# Altium PCB LimeSDR-X3_1v0.PcbDoc (part 2 of 25) (continued)
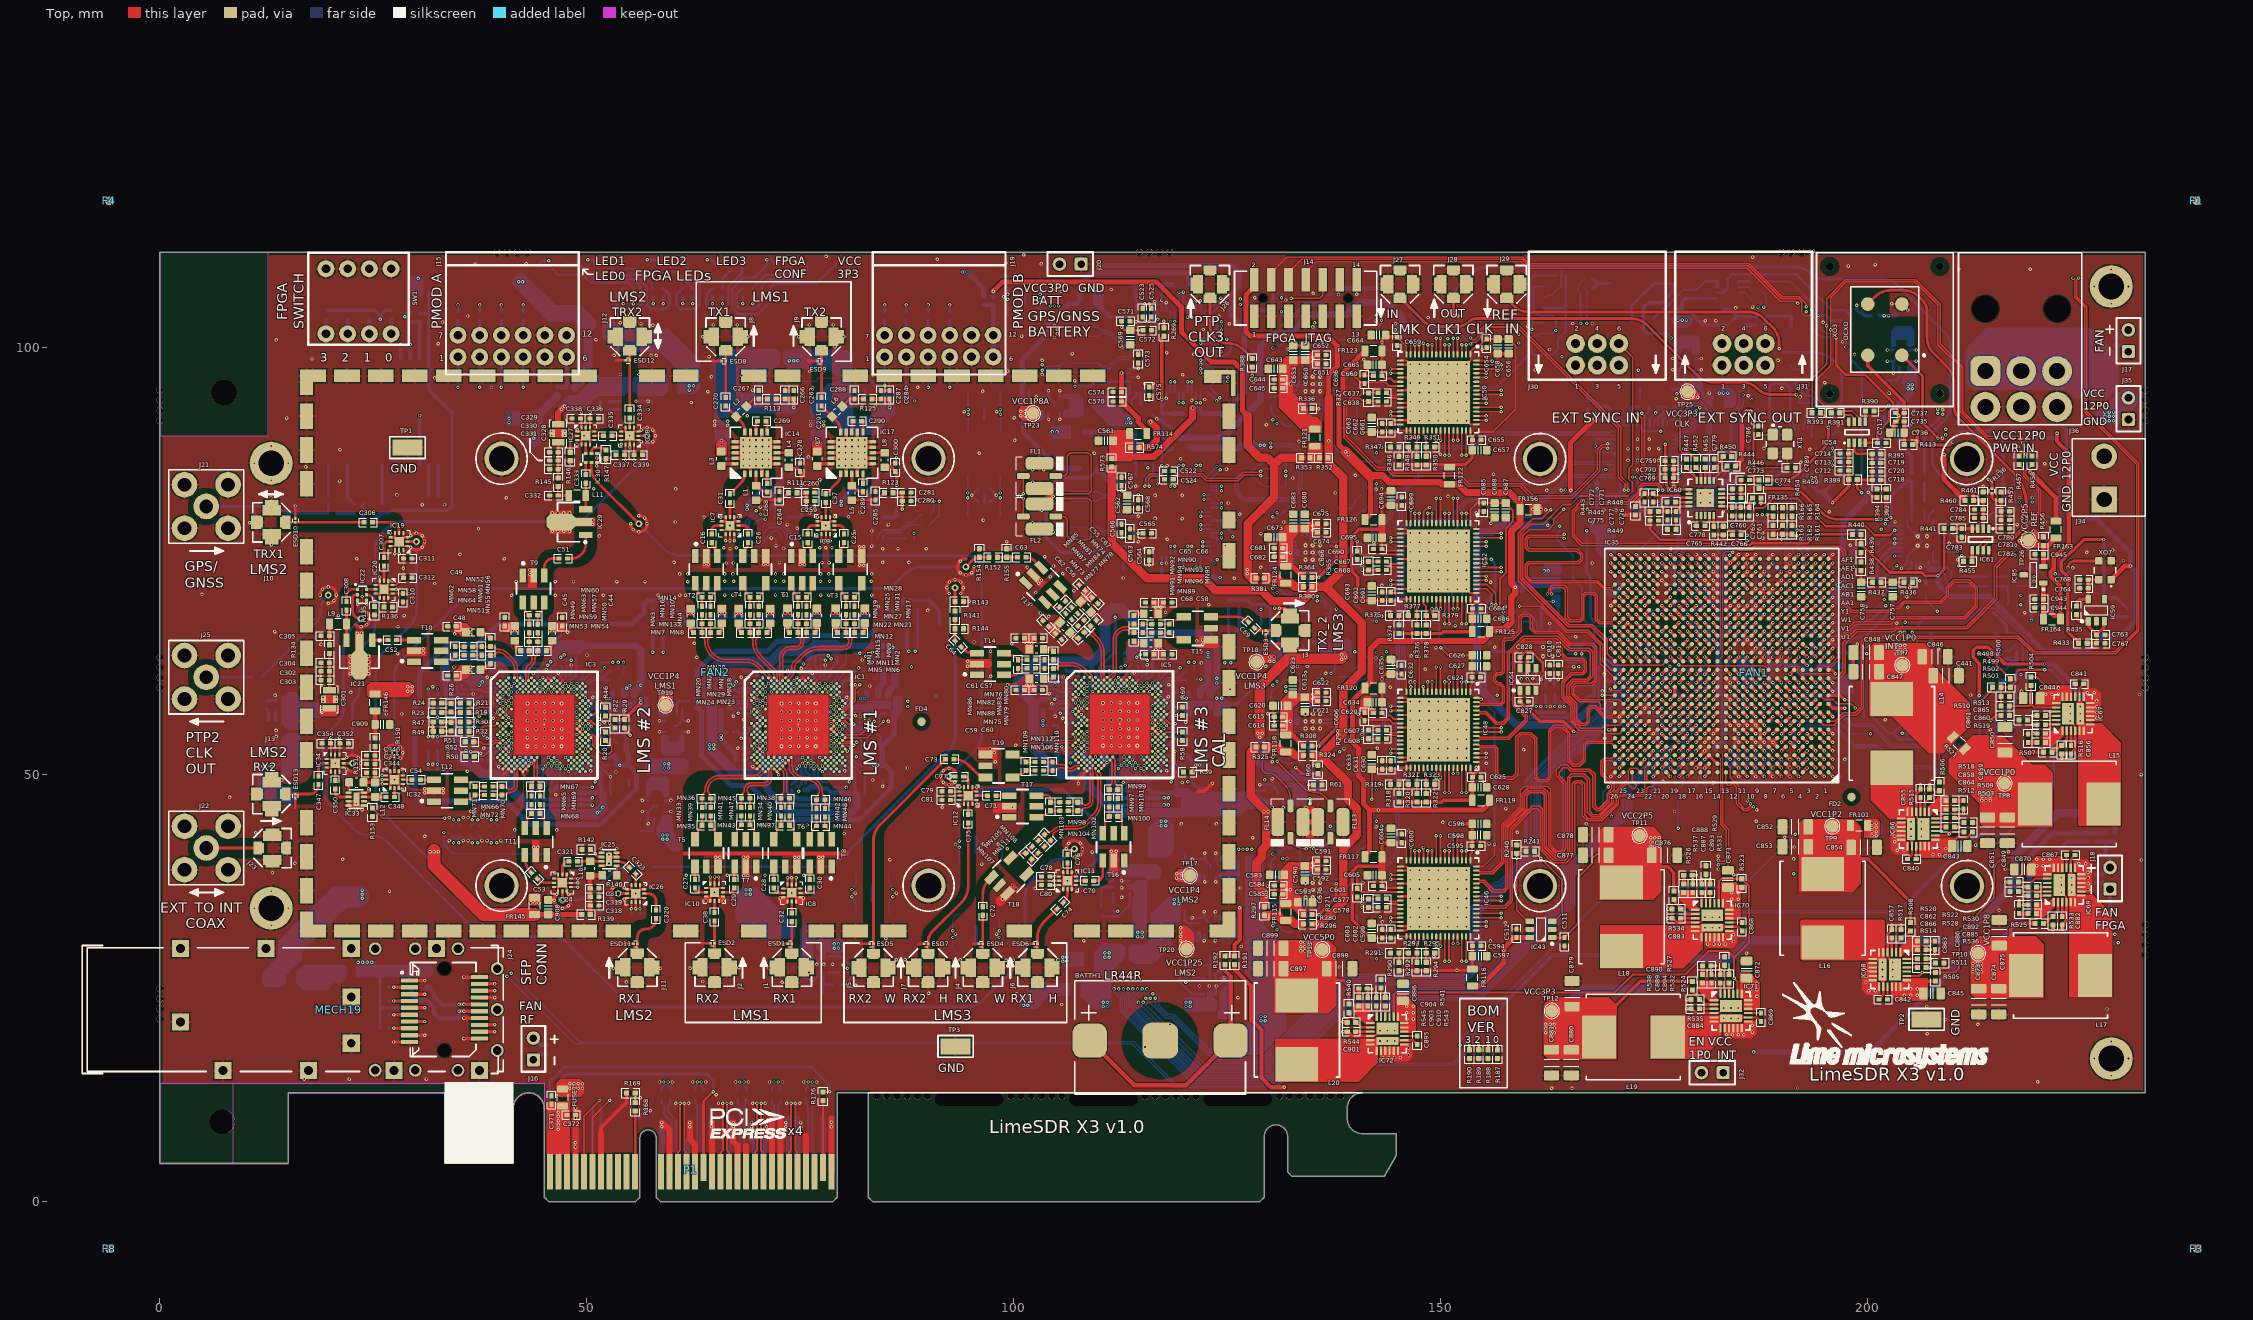
[diagram p0: Top view]
## Components (designator, comment, footprint, x,y, rotation, side; value= is the part's Value field where it differs from the comment) (continued)
C293 "1uF, 10V" CAP0402#1 82.485,82.404 r0 bottom
C294 "100nF, 16V" CAP0402#1 82.485,81.404 r180 bottom
C295 "10uF, 16V" CAP0603#1 76.101,93.48 r0 bottom
C296 "100nF, 16V" CAP0402#1 75.976,88.88 r180 bottom
C297 "100pF, 50V" CAP0402#1 86.796,83.264 r0 bottom
C298 "100nF, 16V" CAP0402#1 84.585,82.119 r0 bottom
C299 "1nF, 50V" CAP0402#1 86.796,80.144 r0 bottom
C300 "100pF, 50V" CAP0402#2 86.098,86.003 r90 top
C301 "470nF, 16V" CAP0805_FEEDTHROUGH 19.854,58.827 r90 top
C302 "1200pF, 50V" CAP0402#2 19.354,62.101 r180 top
C303 "100nF, 16V" CAP0402#2 19.354,61.052 r0 top
C304 "100pF, 50V" CAP0402#2 19.354,63.102 r180 top
C305 "0.018uF, 25V" CAP0402#2 19.354,66.252 r180 top
C306 "100pF, 50V" CAP0402#2 24.397,79.548 r180 top
C307 "100pF, 50V" CAP0402#2 26.229,74.914 r90 top
C308 "100nF, 16V" CAP0402#2 21.854,69.752 r270 top
C309 "10nF, 50V" CAP0402#1 27.504,76.989 r90 bottom
C310 "10nF, 50V" CAP0402#2 28.466,70.707 r270 top
C311 "100pF, 50V" CAP0402#2 29.004,75.314 r180 top
C312 "100pF, 50V" CAP0402#2 29.004,73.039 r180 top
C313 "1uF, 10V" CAP0402#1 14.075,52.554 r0 bottom
C314 "100nF, 16V" CAP0402#1 14.073,58.652 r0 bottom
C315 "2700pF, 50V" CAP0402#1 12.523,58.102 r90 bottom
C316 "100pF, 50V" CAP0402#1 47.8,33.3 r180 bottom
C317 "100pF, 50V" CAP0402#2 50.891,36.682 r0 top
C318 "1uF, 10V" CAP0402#2 50.891,34.682 r180 top
C319 "100pF, 50V" CAP0402#2 50.891,35.682 r0 top
C320 "100pF, 50V" CAP0402#2 58.091,33.657 r270 top
C321 "100pF, 50V" CAP0402#2 48.377,39.851 r0 top
C322 "10nF, 50V" CAP0402#1 47.789,36.826 r180 bottom
C323 "100pF, 50V" CAP0402#2 55.355,38.747 r315 top
C324 "100pF, 50V" CAP0402#1 57.2,39.2 r180 bottom
C325 "10nF, 50V" CAP0402#1 55.209,33.132 r270 bottom
C326 "100pF, 50V" CAP0402#1 47.769,37.826 r0 bottom
C327 "100pF, 50V" CAP0402#1 56.209,33.132 r90 bottom
C328 "470nF, 16V" CAP0805_FEEDTHROUGH 46.636,89.969 r270 top
C329 "100nF, 16V" CAP0402#2 46.136,87.745 r0 top
C330 "1200pF, 50V" CAP0402#2 46.136,86.77 r180 top
C331 "100pF, 50V" CAP0402#2 46.136,85.77 r180 top
C332 "0.018uF, 25V" CAP0402#2 46.136,82.695 r180 top
C333 "100nF, 16V" CAP0402#2 49.861,84.619 r270 top
C334 "100pF, 50V" CAP0402#2 55.011,92.244 r90 top
C335 "100pF, 50V" CAP0402#2 52.436,89.67 r0 top
C336 "10nF, 50V" CAP0402#2 50.861,91.695 r0 top
C337 "10nF, 50V" CAP0402#2 53.911,87.444 r180 top
C338 "100pF, 50V" CAP0402#2 48.761,91.695 r0 top
C339 "100pF, 50V" CAP0402#2 56.011,87.444 r180 top
C340 "1uF, 10V" CAP0402#1 57.658,94.152 r90 bottom
C341 "100nF, 16V" CAP0402#1 51.56,94.15 r90 bottom
C342 "2700pF, 50V" CAP0402#1 52.11,92.6 r180 bottom
C343 "100pF, 50V" CAP0402#1 22.541,56.025 r90 bottom
C344 "100pF, 50V" CAP0402#2 24.691,50.232 r180 top
C345 "1uF, 10V" CAP0402#2 24.691,51.232 r0 top
C346 "100pF, 50V" CAP0402#2 24.691,52.232 r180 top
C347 "100pF, 50V" CAP0402#2 18.575,49.325 r270 top
C348 "100pF, 50V" CAP0402#2 26.966,47.382 r180 top
C349 "10nF, 50V" CAP0402#1 27.176,49.907 r0 bottom
C350 "100pF, 50V" CAP0402#2 20.516,48.807 r90 top
C351 "100pF, 50V" CAP0402#1 27.466,56.025 r270 bottom
C352 "10nF, 50V" CAP0402#2 21.566,53.657 r0 top
C353 "100pF, 50V" CAP0402#1 27.176,48.907 r180 bottom
C354 "100pF, 50V" CAP0402#2 19.466,53.657 r0 top
C355 "100nF, 16V" CAP0402#1 191.65,82.975 r90 bottom
C356 "100nF, 16V" CAP0402#1 192.65,82.975 r90 bottom
C357 "100nF, 16V" CAP0402#1 58.75,12.45 r270 bottom
C358 "100nF, 16V" CAP0402#1 59.75,12.45 r270 bottom
C359 "100nF, 16V" CAP0402#1 76.65,12.45 r90 bottom
C360 "100nF, 16V" CAP0402#1 75.65,12.45 r90 bottom
C361 "100nF, 16V" CAP0402#1 72.65,12.45 r90 bottom
C362 "100nF, 16V" CAP0402#1 71.65,12.45 r90 bottom
C363 "100nF, 16V" CAP0402#1 68.65,12.45 r90 bottom
C364 "100nF, 16V" CAP0402#1 67.65,12.45 r90 bottom
C365 "100nF, 16V" CAP0402#1 63.65,12.45 r90 bottom
C366 "100nF, 16V" CAP0402#1 62.65,12.45 r90 bottom
C367 "100nF, 16V" CAP0402#1 214.509,54.92 r180 bottom
C368 "22nF, 50V" CAP0402#1 48.15,10.3 r0 bottom
C369 "22nF, 50V" CAP0402#1 48.15,11.3 r0 bottom
C370 "22nF, 50V" CAP0402#1 46.55,11.525 r90 bottom
C371 "22nF, 50V" CAP0402#2 45.85,11.9 r90 top
C372 "22nF, 50V" CAP0402#2 48.175,10.15 r0 top
C373 "47uF, 6.3V" CAP1206#1 162.775,23.225 r270 bottom
C374 "4.7uF, 6.3V" CAP0402#1 180.875,69.225 r0 bottom
C375 "100nF, 16V" CAP0402#1 180.875,70.275 r180 bottom
C376 "100nF, 16V" CAP0402#1 186.375,69.775 r90 bottom
C377 "47uF, 6.3V" CAP1206#1 171.375,77.625 r180 bottom
C378 "4.7uF, 6.3V" CAP0402#1 178.375,68.75 r270 bottom
C379 "100nF, 16V" CAP0402#1 177.875,71.3 r0 bottom
C380 "100nF, 16V" CAP0402#1 169.175,75.275 r270 bottom
C381 "100nF, 16V" CAP0402#1 179.375,68.725 r90 bottom
C382 "100nF, 16V" CAP0402#1 172.9,71.25 r180 bottom
C383 "100nF, 16V" CAP0402#1 174.375,74.775 r90 bottom
C384 "100nF, 16V" CAP0402#1 176.375,75.75 r90 bottom
C385 "47uF, 6.3V" CAP1206#1 174.875,46.025 r90 bottom
C386 "4.7uF, 6.3V" CAP0402#1 176.4,53.775 r90 bottom
C387 "100nF, 16V" CAP0402#1 177.375,49.75 r270 bottom
C388 "100nF, 16V" CAP0402#1 175.375,48.884 r0 bottom
C389 "100nF, 16V" CAP0402#1 174.375,53.725 r90 bottom
C390 "100nF, 16V" CAP0402#1 177.4,53.775 r270 bottom
C391 "100nF, 16V" CAP0402#1 180.375,53.8 r270 bottom
C392 "100nF, 16V" CAP0402#1 171.35,50.775 r270 bottom
C393 "47uF, 6.3V" CAP1206#1 198.6,70.725 r180 bottom
C394 "4.7uF, 6.3V" CAP0402#1 189.875,70.325 r0 bottom
C395 "100nF, 16V" CAP0402#1 192.375,71.752 r270 bottom
C396 "100nF, 16V" CAP0402#1 189.875,69.288 r180 bottom
C397 "100nF, 16V" CAP0402#1 194.825,73.288 r180 bottom
C398 "100nF, 16V" CAP0402#1 192.4,65.75 r270 bottom
C399 "100nF, 16V" CAP0402#1 195.4,69.775 r270 bottom
C400 "100nF, 16V" CAP0402#1 192.875,69.288 r0 bottom
C401 "47uF, 6.3V" CAP1206#1 169.575,69.7 r90 bottom
C402 "4.7uF, 6.3V" CAP0402#1 180.875,65.275 r180 bottom
C403 "100nF, 16V" CAP0402#1 180.875,66.3 r0 bottom
C404 "100nF, 16V" CAP0402#1 176.875,66.275 r0 bottom
C405 "100nF, 16V" CAP0402#1 172.875,70.3 r0 bottom
C406 "100nF, 16V" CAP0402#1 172.875,67.275 r180 bottom
C407 "100nF, 16V" CAP0402#1 170.9,65.275 r0 bottom
C408 "100nF, 16V" CAP0402#1 170.375,72.6 r180 bottom
C409 "47uF, 6.3V" CAP1206#1 169.625,62.4 r90 bottom
C410 "4.7uF, 6.3V" CAP0402#1 175.875,65.275 r0 bottom
C411 "100nF, 16V" CAP0402#1 177.875,65.275 r0 bottom
C412 "100nF, 16V" CAP0402#1 171.35,62.8 r90 bottom
C413 "100nF, 16V" CAP0402#1 171.4,57.8 r270 bottom
C414 "100nF, 16V" CAP0402#1 175.9,59.275 r0 bottom
C415 "100nF, 16V" CAP0402#1 172.9,63.05 r180 bottom
C416 "100nF, 16V" CAP0402#1 181,62.95 r45 bottom
C417 "47uF, 6.3V" CAP1206#1 199.6,59.825 r180 bottom
C418 "4.7uF, 6.3V" CAP0402#1 189.9,60.275 r180 bottom
C419 "100nF, 16V" CAP0402#1 196.675,59.375 r270 bottom
C420 "100nF, 16V" CAP0402#1 190.875,66.275 r180 bottom
C421 "100nF, 16V" CAP0402#1 189.9,61.275 r0 bottom
C422 "100nF, 16V" CAP0402#1 191.875,61.275 r0 bottom
C423 "100nF, 16V" CAP0402#1 195.925,64.275 r0 bottom
C424 "100nF, 16V" CAP0402#1 193.9,58.25 r0 bottom
C425 "47uF, 6.3V" CAP1206#1 168.225,51.075 r0 bottom
C426 "4.7uF, 6.3V" CAP0402#1 178.875,61.25 r180 bottom
C427 "100nF, 16V" CAP0402#1 178.875,60.25 r0 bottom
C428 "100nF, 16V" CAP0402#1 170.7,54.775 r0 bottom
C429 "100nF, 16V" CAP0402#1 174.775,56.925 r180 bottom
C430 "100nF, 16V" CAP0402#1 173.375,54.775 r270 bottom
C431 "100nF, 16V" CAP0402#1 182.425,58.175 r270 bottom
C432 "100nF, 16V" CAP0402#1 177.875,58.275 r180 bottom
C433 "47uF, 6.3V" CAP1206#1 198.4,49.775 r180 bottom
C434 "4.7uF, 6.3V" CAP0402#1 190.825,55.275 r180 bottom
C435 "100nF, 16V" CAP0402#1 191.375,64.775 r270 bottom
C436 "100nF, 16V" CAP0402#1 194.875,50.25 r180 bottom
C437 "100nF, 16V" CAP0402#1 193.9,57.25 r0 bottom
C438 "100nF, 16V" CAP0402#1 195.875,52.275 r0 bottom
C439 "100nF, 16V" CAP0402#1 190.825,54.275 r0 bottom
C440 "100nF, 16V" CAP0402#1 192.875,51.25 r0 bottom
C441 "220uF, 4V" CAP1206#2 209.15,61.575 r180 top
C442 "220uF, 4V" CAP1206#1 203.15,61.675 r90 bottom
C443 "47uF, 6.3V" CAP1206#1 181.925,78.6 r270 bottom
C444 "4.7uF, 6.3V" CAP0402#1 184.85,57.285 r180 bottom
C445 "100nF, 16V" CAP0402#1 186.9,59.262 r0 bottom
C446 "100nF, 16V" CAP0402#1 185.85,65.275 r0 bottom
C447 "100nF, 16V" CAP0402#1 187.875,60.3 r0 bottom
C448 "100nF, 16V" CAP0402#1 186.875,58.25 r0 bottom
C449 "100nF, 16V" CAP0402#1 184.375,67.775 r90 bottom
C450 "100nF, 16V" CAP0402#1 184.85,58.25 r0 bottom
C451 "100nF, 16V" CAP0402#1 184.875,59.242 r0 bottom
C452 "100nF, 16V" CAP0402#1 187.85,65.275 r0 bottom
C453 "100nF, 16V" CAP0402#1 186.85,64.275 r180 bottom
C454 "100nF, 16V" CAP0402#1 187.9,61.25 r0 bottom
C455 "100nF, 16V" CAP0402#1 184.875,66.275 r0 bottom
C456 "100nF, 16V" CAP0402#1 187.875,67.25 r0 bottom
C457 "100nF, 16V" CAP0402#1 185.85,67.275 r0 bottom
C458 "47uF, 6.3V" CAP1206#1 198.525,62.8 r180 bottom
C459 "4.7uF, 6.3V" CAP0402#1 190.375,63.775 r270 bottom
C460 "100nF, 16V" CAP0402#1 186.9,66.275 r180 bottom
C461 "100nF, 16V" CAP0402#1 188.875,58.276 r0 bottom
C462 "100nF, 16V" CAP0402#1 188.875,59.275 r0 bottom
C463 "100nF, 16V" CAP0402#1 188.875,66.275 r0 bottom
C464 "100nF, 16V" CAP0402#1 189.4,64.775 r90 bottom
C465 "47uF, 6.3V" CAP1206#1 184.275,78.55 r270 bottom
C466 "47uF, 6.3V" CAP1206#1 182.15,51.391 r90 bottom
C467 "4.7uF, 6.3V" CAP0402#1 185.375,68.775 r90 bottom
C468 "100nF, 16V" CAP0402#1 181.875,67.301 r180 bottom
C469 "100nF, 16V" CAP0402#1 184.375,69.788 r90 bottom
C470 "100nF, 16V" CAP0402#1 183.35,64.775 r90 bottom
C471 "100nF, 16V" CAP0402#1 184.85,64.325 r0 bottom
C472 "4.7uF, 6.3V" CAP0402#1 187.4,52.75 r90 bottom
C473 "100nF, 16V" CAP0402#1 187.9,55.25 r0 bottom
C474 "100nF, 16V" CAP0402#1 188.875,72.288 r0 bottom
C475 "100nF, 16V" CAP0402#1 185.9,71.3 r0 bottom
C476 "100nF, 16V" CAP0402#1 186.4,52.75 r270 bottom
C477 "100nF, 16V" CAP0402#1 185.825,55.275 r0 bottom
C478 "100nF, 16V" CAP0402#1 184.362,54.798 r90 bottom
C479 "100nF, 16V" CAP0402#1 187.4,70.775 r270 bottom
C480 "100nF, 16V" CAP0402#1 188.9,53.25 r0 bottom
C481 "100nF, 16V" CAP0402#1 188.875,52.275 r0 bottom
C482 "100nF, 16V" CAP0402#1 186.875,54.275 r180 bottom
C483 "4.7uF, 6.3V" CAP0402#1 179.875,50.275 r0 bottom
C484 "100nF, 16V" CAP0402#1 185.875,75.25 r180 bottom
C485 "100nF, 16V" CAP0402#1 181.375,73.775 r270 bottom
C486 "100nF, 16V" CAP0402#1 185.375,49.75 r270 bottom
C487 "100nF, 16V" CAP0402#1 187.35,49.75 r270 bottom
C488 "100nF, 16V" CAP0402#1 189.375,50.725 r270 bottom
C489 "100nF, 16V" CAP0402#1 189.375,74.75 r90 bottom
C490 "100nF, 16V" CAP0402#1 179.127,77.007 r90 bottom
C491 "100nF, 16V" CAP0402#1 180.225,77.025 r90 bottom
C492 "100nF, 16V" CAP0402#1 186.375,49.75 r270 bottom
C493 "100nF, 16V" CAP0402#1 201.975,43.6 r0 bottom
C494 "100nF, 16V" CAP0402#1 188.4,49.75 r270 bottom
C495 "100nF, 16V" CAP0402#1 190.375,50.725 r270 bottom
C496 "1uF, 10V" CAP0402#1 183.375,60.775 r270 bottom
C497 "100nF, 16V" CAP0402#1 184.375,60.775 r90 bottom
C498 "100nF, 16V" CAP0402#1 132.014,69.911 r180 bottom
C499 "100nF, 16V" CAP0402#1 47.111,96.4 r180 bottom
C500 "22nF, 50V" CAP0402#1 226.75,37.8 r270 bottom
C501 "22nF, 50V" CAP0402#1 45.314,17.825 r270 bottom
C502 "22nF, 50V" CAP0402#1 228.911,100.748 r270 bottom
C503 "22nF, 50V" CAP0402#1 228.325,41.125 r0 bottom
C504 "100nF, 16V" CAP0402#1 158.489,97.836 r180 bottom
C505 "100nF, 16V" CAP0402#1 97.07,103.97 r180 bottom
C506 "100nF, 16V" CAP0402#1 164.838,104.615 r0 bottom
C507 "22pF, 50V" CAP0402#1 21.725,80.125 r90 bottom
C508 "1uF, 10V" CAP0402#1 32.025,104 r180 bottom
C509 "10uF, 6.3V" CAP0603#1 32.375,105.225 r180 bottom
C510 "100pF, 50V" CAP0402#1 19.7,82.225 r90 bottom
C511 "100nF, 16V" CAP0402#2 164.475,30.425 r90 top
C512 "100nF, 16V" CAP0402#2 158.833,31.422 r90 top
C513 "100nF, 16V" CAP0402#1 29.925,102 r180 bottom
C514 "100nF, 16V" CAP0402#1 32.025,103 r180 bottom
C515 "100pF, 50V" CAP0402#1 32.025,102 r0 bottom
C516 "100pF, 50V" CAP0402#1 108.852,78.402 r90 bottom
C517 "100pF, 50V" CAP0402#1 108.852,97.679 r90 bottom
C518 "100pF, 50V" CAP0402#1 108.852,82.602 r90 bottom
C519 "100pF, 50V" CAP0402#1 108.852,101.877 r90 bottom
C520 "1uF, 10V" CAP0402#1 114.827,73.527 r90 bottom
C521 "1uF, 10V" CAP0402#1 114.827,92.802 r90 bottom
C522 "100nF, 16V" CAP0402#2 118.15,85.564 r0 top
C523 "100nF, 16V" CAP0402#2 115.078,104.103 r90 top
C524 "100nF, 16V" CAP0402#2 118.15,84.577 r0 top
C525 "100nF, 16V" CAP0402#2 116.078,104.103 r90 top
C526 "22uF, 10V" CAP0603#1 122.941,87.401 r90 bottom
C527 "22uF, 10V" CAP0603#1 106.428,86.728 r270 bottom
C528 "22uF, 10V" CAP0603#1 121.354,108.725 r180 bottom
C529 "22uF, 10V" CAP0603#1 106.428,106.003 r270 bottom
C530 "10uF, 16V" CAP0603#1 116.497,88.059 r0 bottom
C531 "1uF, 10V" CAP0402#1 117.927,86.752 r180 bottom
C532 "100nF, 16V" CAP0402#1 124.827,79.752 r180 bottom
C533 "10uF, 16V" CAP0603#1 111.202,85.227 r270 bottom
C534 "1uF, 10V" CAP0402#1 111.352,76.252 r90 bottom
C535 "100nF, 16V" CAP0402#1 112.452,84.752 r270 bottom
C536 "100nF, 16V" CAP0402#1 112.352,76.252 r90 bottom
C537 "10uF, 16V" CAP0603#1 116.534,107.371 r0 bottom
C538 "1uF, 10V" CAP0402#1 117.928,106.022 r180 bottom
C539 "100nF, 16V" CAP0402#1 125.327,98.953 r180 bottom
C540 "10uF, 16V" CAP0603#1 110.302,103.827 r0 bottom
C541 "1uF, 10V" CAP0402#1 111.353,95.528 r90 bottom
C542 "100nF, 16V" CAP0402#1 112.453,104.028 r270 bottom
C543 "100nF, 16V" CAP0402#1 112.366,95.528 r90 bottom
C544 "22uF, 10V" CAP0603#1 110.952,89.252 r90 bottom
C545 "22uF, 10V" CAP0603#1 122.854,72.227 r90 bottom
C546 "22uF, 10V" CAP0603#1 127.225,108.85 r180 bottom
C547 "22uF, 10V" CAP0603#1 123.4,91.415 r90 bottom
C548 "10uF, 16V" CAP0603#1 118.527,72.227 r90 bottom
C549 "1uF, 10V" CAP0402#1 116.827,73.077 r0 bottom
C550 "100nF, 16V" CAP0402#1 116.828,74.078 r0 bottom
C551 "10uF, 16V" CAP0603#1 113.377,88.552 r0 bottom
C552 "1uF, 10V" CAP0402#1 113.727,87.352 r0 bottom
C553 "100nF, 16V" CAP0402#1 113.727,86.352 r0 bottom
C554 "10uF, 16V" CAP0603#1 118.527,91.415 r90 bottom
C555 "1uF, 10V" CAP0402#1 116.802,92.227 r0 bottom
C556 "100nF, 16V" CAP0402#1 116.802,93.302 r0 bottom
C557 "10uF, 16V" CAP0603#1 111.835,106.85 r90 bottom
C558 "1uF, 10V" CAP0402#1 113.727,106.627 r0 bottom
C559 "100nF, 16V" CAP0402#1 113.728,105.627 r0 bottom
C560 "22uF, 10V" CAP0603#1 109.527,89.252 r90 bottom
C561 "22uF, 10V" CAP0603#2 110.75,89.1 r0 top
C562 "10uF, 16V" CAP0603#2 113.25,81.875 r90 top
C563 "1uF, 10V" CAP0402#2 113.6,78.275 r270 top
C564 "100nF, 16V" CAP0402#2 115.828,75.597 r270 top
C565 "100nF, 16V" CAP0402#2 115.622,78.253 r180 top
C566 "100nF, 16V" CAP0402#2 112.603,78.822 r270 top
C567 "100nF, 16V" CAP0402#2 112.603,84.322 r270 top
C568 "100nF, 16V" CAP0402#2 114.553,81.684 r90 top
C569 "10uF, 16V" CAP0603#2 113.625,101.175 r90 top
C570 "1uF, 10V" CAP0402#2 112.106,93.697 r0 top
C571 "100nF, 16V" CAP0402#2 113.103,103.097 r180 top
C572 "100nF, 16V" CAP0402#2 115.622,102.028 r180 top
C573 "100nF, 16V" CAP0402#2 114.553,98.697 r270 top
C574 "100nF, 16V" CAP0402#2 112.1,94.8 r0 top
C575 "100nF, 16V" CAP0402#2 115.828,94.872 r270 top
C576 "100nF, 16V" CAP0402#2 140.2,36.175 r90 top
C577 "100nF, 16V" CAP0402#2 143.134,35.452 r180 top
C578 "100nF, 16V" CAP0402#2 143.134,34.452 r180 top
C579 "100nF, 16V" CAP0402#1 138.825,36.15 r0 bottom
C580 "4.7pF, 50V" CAP0402#1 139.569,30.093 r225 bottom
C581 "22pF, 50V" CAP0402#1 139.781,31.719 r45 bottom
C582 "4.7pF, 50V" CAP0402#1 141.407,31.931 r225 bottom
C583 "10uF, 16V" CAP0603#2 130.8,38.25 r0 top
C584 "100nF, 16V" CAP0402#2 130.975,37.01 r180 top
C585 "100nF, 16V" CAP0402#2 130.975,36.004 r180 top
C586 "100nF, 16V" CAP0402#1 135.725,41.925 r90 bottom
C587 "4.7pF, 50V" CAP0402#1 141.407,41.069 r315 bottom
C588 "22pF, 50V" CAP0402#1 139.781,41.281 r135 bottom
C589 "4.7pF, 50V" CAP0402#1 139.569,42.907 r315 bottom
C590 "10uF, 16V" CAP0603#2 134.075,38.45 r90 top
C591 "100nF, 16V" CAP0402#2 136.05,39.875 r0 top
C592 "100nF, 16V" CAP0402#2 136.05,38.875 r0 top
C593 "22uF, 10V" CAP0603#2 134.1,35.05 r180 top
C594 "100nF, 16V" CAP0402#2 154.175,29.95 r180 top
C595 "100nF, 16V" CAP0402#2 154.15,41.65 r180 top
C596 "22uF, 10V" CAP0603#2 154.5,44.225 r180 top
C597 "22uF, 10V" CAP0603#2 154.525,28.75 r180 top
C598 "10uF, 6.3V" CAP0603#2 154.5,42.925 r0 top
C599 "100nF, 16V" CAP0402#2 144.125,31.375 r270 top
C600 "100nF, 16V" CAP0402#2 145.4,42.525 r270 top
C601 "100nF, 16V" CAP0402#2 142.6,36.95 r0 top
C602 "100nF, 16V" CAP0402#2 143.125,31.375 r270 top
C603 "22uF, 10V" CAP0603#2 141.9,31.725 r270 top
C604 "22uF, 10V" CAP0603#2 144.15,42.875 r270 top
C605 "10uF, 6.3V" CAP0603#2 142.25,38.225 r180 top
C606 "100nF, 16V" CAP0402#2 141.05,56.8 r270 top
C607 "100nF, 16V" CAP0402#2 143.134,55.202 r180 top
C608 "100nF, 16V" CAP0402#2 143.134,54.202 r180 top
C609 "100nF, 16V" CAP0402#1 138.825,55.9 r0 bottom
C610 "4.7pF, 50V" CAP0402#1 139.569,49.843 r225 bottom
C611 "22pF, 50V" CAP0402#1 139.781,51.469 r45 bottom
C612 "4.7pF, 50V" CAP0402#1 141.407,51.681 r225 bottom
C613 "10uF, 16V" CAP0603#2 134.075,58.2 r90 top
C614 "100nF, 16V" CAP0402#2 130.975,55.754 r180 top
C615 "100nF, 16V" CAP0402#2 130.975,56.76 r180 top
C616 "100nF, 16V" CAP0402#1 135.55,61.675 r90 bottom
C617 "4.7pF, 50V" CAP0402#1 141.407,60.819 r315 bottom
C618 "22pF, 50V" CAP0402#1 139.781,61.031 r135 bottom
C619 "4.7pF, 50V" CAP0402#1 139.553,62.642 r315 bottom
C620 "10uF, 16V" CAP0603#2 131.175,58.05 r0 top
C621 "100nF, 16V" CAP0402#2 136.05,58.625 r0 top
C622 "100nF, 16V" CAP0402#2 136.05,59.625 r0 top
C623 "22uF, 10V" CAP0603#2 132.65,60.225 r270 top
C624 "100nF, 16V" CAP0402#2 154.15,61.4 r180 top
C625 "100nF, 16V" CAP0402#2 154.175,49.7 r180 top
C626 "22uF, 10V" CAP0603#2 154.5,63.975 r180 top
C627 "22uF, 10V" CAP0603#2 154.5,62.675 r180 top
C628 "10uF, 6.3V" CAP0603#2 154.525,48.5 r0 top
C629 "100nF, 16V" CAP0402#2 142.6,57.2 r0 top
C630 "100nF, 16V" CAP0402#2 144.125,51.125 r270 top
C631 "100nF, 16V" CAP0402#2 143.125,51.125 r270 top
C632 "100nF, 16V" CAP0402#2 145.375,62.275 r270 top
C633 "22uF, 10V" CAP0603#2 141.9,51.475 r270 top
C634 "22uF, 10V" CAP0603#2 142.25,58.475 r0 top
C635 "10uF, 6.3V" CAP0603#2 144.15,62.625 r90 top
C636 "100nF, 16V" CAP0402#2 141.05,96.3 r270 top
C637 "100nF, 16V" CAP0402#2 143.134,94.702 r180 top
C638 "100nF, 16V" CAP0402#2 143.134,93.702 r180 top
C639 "4.7pF, 50V" CAP0402#1 139.569,89.343 r225 bottom
C640 "100nF, 16V" CAP0402#1 138.825,95.4 r0 bottom
C641 "22pF, 50V" CAP0402#1 139.781,90.969 r45 bottom
C642 "4.7pF, 50V" CAP0402#1 141.407,91.181 r225 bottom
C643 "10uF, 16V" CAP0603#2 130.625,97.525 r0 top
C644 "100nF, 16V" CAP0402#2 130.975,96.26 r180 top
C645 "100nF, 16V" CAP0402#2 130.975,95.254 r180 top
C646 "100nF, 16V" CAP0402#1 135.55,101.175 r90 bottom
C647 "4.7pF, 50V" CAP0402#1 141.399,100.31 r315 bottom
C648 "22pF, 50V" CAP0402#1 139.772,100.522 r135 bottom
C649 "4.7pF, 50V" CAP0402#1 139.56,102.149 r315 bottom
C650 "10uF, 16V" CAP0603#2 134.125,99.4 r270 top
C651 "100nF, 16V" CAP0402#2 136.05,98.125 r0 top
C652 "100nF, 16V" CAP0402#2 136.05,99.125 r0 top
C653 "22uF, 10V" CAP0603#2 132.725,99.4 r270 top
C654 "100nF, 16V" CAP0402#2 155.35,100.5 r90 top
C655 "100nF, 16V" CAP0402#2 154.175,89.2 r180 top
C656 "22uF, 10V" CAP0603#2 157.925,100.15 r90 top
C657 "22uF, 10V" CAP0603#2 154.525,88 r180 top
C658 "10uF, 6.3V" CAP0603#2 156.625,100.15 r270 top
C659 "100nF, 16V" CAP0402#2 144.875,100.725 r90 top
C660 "100nF, 16V" CAP0402#2 142.6,96.7 r0 top
C661 "100nF, 16V" CAP0402#2 144.125,90.625 r270 top
C662 "100nF, 16V" CAP0402#2 143.125,90.625 r270 top
C663 "22uF, 10V" CAP0603#2 141.9,90.975 r270 top
C664 "22uF, 10V" CAP0603#2 142.675,101.475 r0 top
C665 "10uF, 6.3V" CAP0603#2 142.25,97.975 r180 top
C666 "100nF, 16V" CAP0402#2 140.199,75.676 r90 top
C667 "100nF, 16V" CAP0402#2 143.134,74.952 r180 top
C668 "100nF, 16V" CAP0402#2 143.134,73.952 r180 top
C669 "100nF, 16V" CAP0402#1 138.725,76.075 r90 bottom
C670 "4.7pF, 50V" CAP0402#1 139.569,69.593 r225 bottom
C671 "22pF, 50V" CAP0402#1 139.781,71.219 r45 bottom
C672 "4.7pF, 50V" CAP0402#1 141.407,71.431 r225 bottom
C673 "10uF, 16V" CAP0603#2 130.6,77.812 r0 top
C674 "100nF, 16V" CAP0402#2 136.05,78.375 r0 top
C675 "100nF, 16V" CAP0402#2 136.05,79.375 r0 top
C676 "100nF, 16V" CAP0402#1 135.55,81.425 r90 bottom
C677 "4.7pF, 50V" CAP0402#1 141.407,80.569 r315 bottom
C678 "22pF, 50V" CAP0402#1 139.781,80.781 r135 bottom
C679 "4.7pF, 50V" CAP0402#1 139.569,82.407 r315 bottom
C680 "10uF, 16V" CAP0603#2 134.075,79.65 r270 top
C681 "100nF, 16V" CAP0402#2 130.975,76.51 r180 top
C682 "100nF, 16V" CAP0402#2 130.975,75.504 r180 top
C683 "22uF, 10V" CAP0603#2 132.7,79.65 r270 top
C684 "100nF, 16V" CAP0402#2 154.175,69.45 r180 top
C685 "100nF, 16V" CAP0402#2 155,81.3 r90 top
C686 "22uF, 10V" CAP0603#2 154.525,68.25 r180 top
C687 "22uF, 10V" CAP0603#2 157.575,80.95 r90 top
C688 "10uF, 6.3V" CAP0603#2 156.275,80.95 r270 top
C689 "100nF, 16V" CAP0402#2 145.4,82.025 r270 top
C690 "100nF, 16V" CAP0402#2 142.6,76.425 r0 top
C691 "100nF, 16V" CAP0402#2 144.125,70.875 r270 top
C692 "100nF, 16V" CAP0402#2 143.125,70.875 r270 top
C693 "22uF, 10V" CAP0603#2 141.9,71.225 r270 top
C694 "22uF, 10V" CAP0603#2 144.15,82.375 r270 top
C695 "10uF, 6.3V" CAP0603#2 142.25,77.725 r180 top
C696 "100nF, 16V" CAP0402#1 27.7,27.625 r270 bottom
C697 "1uF, 10V" CAP0402#1 26.45,27.625 r270 bottom
C698 "1uF, 10V" CAP0402#1 33.875,20.975 r90 bottom
C699 "100nF, 16V" CAP0402#1 35.022,20.975 r90 bottom
C700 "22uF, 10V" CAP0603#1 32.675,20.65 r90 bottom
C701 "100nF, 16V" CAP0402#1 34.35,23.591 r270 bottom
C702 "22uF, 10V" CAP0603#1 33.1,23.925 r270 bottom
C703 "22uF, 10V" CAP0603#1 18,28.05 r270 bottom
C704 "22uF, 10V" CAP0603#1 19.6,28.05 r270 bottom
C705 "22uF, 10V" CAP0603#1 12.95,25.15 r90 bottom
C706 "22uF, 10V" CAP0603#1 22.775,34.15 r90 bottom
C707 "100nF, 16V" CAP0402#1 190.65,83.475 r90 bottom
C708 "100nF, 16V" CAP0402#1 193.2,93.025 r270 bottom
C709 "100nF, 16V" CAP0402#1 188.55,84.225 r0 bottom
C710 "100nF, 16V" CAP0402#1 197.25,87.975 r180 bottom
C711 "100nF, 16V" CAP0402#1 193.7,82.975 r90 bottom
C712 "1uF, 10V" CAP0402#2 197.25,85.61 r0 top
C713 "100nF, 16V" CAP0402#2 197.25,86.61 r180 top
C714 "100pF, 50V" CAP0402#2 197.25,87.61 r180 top
C715 "100nF, 16V" CAP0402#1 187.975,91.8 r0 bottom
C716 "1uF, 10V" CAP0402#1 190.425,94.65 r0 bottom
C717 "1nF, 50V" CAP0402#2 201.6,88.839 r0 top
C718 "1uF, 10V" CAP0402#2 201,84.5 r180 top
C719 "100nF, 16V" CAP0402#2 201,86.5 r0 top
C720 "100nF, 16V" CAP0402#2 201,85.5 r0 top
C721 "100nF, 16V" CAP0402#1 181.575,103.102 r270 bottom
C722 "100nF, 16V" CAP0402#1 192.775,95.6 r90 bottom
C723 "1uF, 10V" CAP0402#1 189.025,104.2 r270 bottom
C724 "100nF, 16V" CAP0402#1 190.025,104.2 r270 bottom
C725 "10nF, 50V" CAP0402#1 191.025,104.2 r90 bottom
C726 "1uF, 10V" CAP0402#1 179.096,105.3 r90 bottom
C727 "100nF, 16V" CAP0402#1 180.096,105.3 r270 bottom
C728 "100pF, 50V" CAP0402#1 181.096,105.3 r270 bottom
C729 "22uF, 10V" CAP0603#1 191.9,92.675 r90 bottom
C730 "22uF, 10V" CAP0603#1 190,92.675 r270 bottom
C731 "100nF, 16V" CAP0402#1 177.725,107.5 r180 bottom
C732 "1nF, 50V" CAP0402#1 180.925,108.25 r90 bottom
C733 "100nF, 16V" CAP0402#1 206.625,84.65 r90 bottom
C734 "100nF, 16V" CAP0402#1 206.625,81.45 r90 bottom
C735 "100nF, 16V" CAP0402#2 203.75,91.35 r0 top
C736 "10uF, 16V" CAP0603#2 203.4,90.05 r0 top
C737 "100pF, 50V" CAP0402#2 203.75,92.35 r180 top
C738 "100nF, 16V" CAP0402#1 208.175,80.9 r180 bottom
C739 "100nF, 16V" CAP0402#1 214.55,72.075 r0 bottom
C740 "100nF, 16V" CAP0402#1 210.25,72.075 r0 bottom
C741 "100nF, 16V" CAP0402#1 214.55,73.175 r0 bottom
C742 "100nF, 16V" CAP0402#1 210.25,73.175 r0 bottom
C743 "100nF, 16V" CAP0402#1 228.126,72.849 r180 bottom
C744 "1uF, 10V" CAP0402#1 228.126,73.996 r180 bottom
C745 "2.2uF, 16V" CAP0402#1 204.616,82.9 r0 bottom
C746 "100nF, 16V" CAP0402#1 204.616,81.9 r0 bottom
C747 "100pF, 50V" CAP0402#1 204.616,80.9 r0 bottom
C748 "100pF, 50V" CAP0402#1 210,77.6 r90 bottom
C749 "100pF, 50V" CAP0402#1 210,75.5 r90 bottom
C750 "2.2uF, 16V" CAP0402#1 200.209,76.6 r90 bottom
C751 "100nF, 16V" CAP0402#1 201.225,76.6 r90 bottom
C752 "100pF, 50V" CAP0402#1 202.725,73.35 r180 bottom
C753 "100pF, 50V" CAP0402#1 202.225,77.6 r90 bottom
C754 "1uF, 10V" CAP0402#1 222.936,82.71 r180 bottom
C755 "100nF, 16V" CAP0402#1 222.936,81.71 r180 bottom
C756 "18nF, 16V" CAP0402#1 220.875,76.95 r90 bottom
C757 "10uF, 6.3V" CAP0603#2 202.9,71.675 r270 top
C758 "10uF, 6.3V" CAP0603#2 199.2,71.675 r270 top
C759 "100nF, 16V" CAP0402#2 176.75,86.75 r180 top
C760 "100nF, 16V" CAP0402#2 184.1,80.8 r90 top
C761 "100pF, 50V" CAP0402#2 186.1,80.8 r270 top
C762 "100pF, 50V" CAP0402#2 185.1,80.8 r270 top
C763 "100nF, 16V" CAP0402#2 227.277,66.377 r180 top
C764 "100nF, 16V" CAP0402#2 225.302,71.827 r0 top
C765 "100pF, 50V" CAP0402#2 181.95,78.575 r270 top
C766 "100pF, 50V" CAP0402#2 184.65,78.075 r0 top
C767 "1uF, 10V" CAP0402#2 227.277,65.377 r180 top
C768 "1uF, 10V" CAP0402#2 225.302,72.827 r0 top
C769 "100pF, 50V" CAP0402#2 176.75,84.75 r0 top
C770 "100pF, 50V" CAP0402#2 176.75,85.75 r0 top
C771 "100pF, 50V" CAP0402#2 174.861,82.415 r90 top
C772 "100nF, 16V" CAP0402#2 173.836,82.415 r270 top
C773 "1nF, 50V" CAP0402#2 184.65,82.4 r180 top
C774 "1nF, 50V" CAP0402#2 185.65,84.5 r180 top
C775 "22pF, 50V" CAP0402#2 174.986,79.765 r180 top
C776 "22pF, 50V" CAP0402#2 177.536,80.315 r90 top
C777 "22pF, 50V" CAP0402#2 176.536,80.315 r90 top
C778 "220pF, 10%" CAP0402#2 180.4,79.125 r180 top
C779 "10pF, 25V" CAP0402#2 182,86.45 r270 top
C780 "1uF, 10V" CAP0402#2 216.099,80.825 r180 top
C781 "100nF, 16V" CAP0402#2 216.099,79.825 r0 top
C782 "100pF, 50V" CAP0402#2 216.099,78.825 r0 top
C783 "1nF, 50V" CAP0402#2 210.974,78.3 r270 top
C784 "1uF, 10V" CAP0402#2 212.999,81.05 r0 top
C785 "100nF, 16V" CAP0402#2 212.999,80.05 r180 top
C786 "10pF, 25V" CAP0402#2 187.165,90.31 r270 top
C787 "100nF, 16V" CAP0402#1 155.697,64.9 r90 bottom
C788 "100nF, 16V" CAP0402#1 158.404,64.4 r180 bottom
C789 "10pF, 25V" CAP0402#2 191.039,85.936 r180 top
C790 "100nF, 16V" CAP0402#1 158.404,65.4 r0 bottom
C791 "100nF, 16V" CAP0402#1 167.95,67.35 r90 bottom
C792 "100nF, 16V" CAP0402#1 167.45,64.65 r0 bottom
C793 "100nF, 16V" CAP0402#1 166.925,66.175 r270 bottom
C794 "47pF, 50V" CAP0402#1 164.45,57.776 r90 bottom
C795 "47pF, 50V" CAP0402#1 163.35,57.776 r90 bottom
C796 "47pF, 50V" CAP0402#1 162.25,57.776 r90 bottom
C797 "47pF, 50V" CAP0402#1 161.15,57.776 r90 bottom
C798 "22nF, 50V" CAP0402#1 173.795,95.189 r0 bottom
C799 "68pF, 25V" CAP0402#1 172.235,93.589 r90 bottom
C800 "47pF, 50V" CAP0402#1 157.089,67.943 r0 bottom
C801 "47pF, 50V" CAP0402#1 157.089,69.043 r0 bottom
C802 "100nF, 16V" CAP0402#1 176.435,93.589 r270 bottom
C803 "10uF, 6.3V" CAP0603#1 171.01,93.789 r90 bottom
C804 "1uF, 10V" CAP0402#1 174.345,93.589 r90 bottom
C805 "2.2uF, 16V" CAP0402#1 167.45,60.45 r0 bottom
C806 "100nF, 16V" CAP0402#1 158.954,62.65 r90 bottom
C807 "100pF, 50V" CAP0402#1 167.45,61.45 r0 bottom
C808 "2.2uF, 16V" CAP0402#1 164.239,69.015 r180 bottom
C809 "100nF, 16V" CAP0402#1 162.139,69.24 r180 bottom
C810 "100pF, 50V" CAP0402#2 162.75,62.354 r270 top
C811 "100pF, 50V" CAP0402#2 163.75,62.354 r270 top
C812 "100pF, 50V" CAP0402#1 162.139,68.24 r180 bottom
C813 "100pF, 50V" CAP0402#1 164.239,68.015 r180 bottom
C814 "10uF, 6.3V" CAP0603#1 169.56,81.844 r270 bottom
C815 "1uF, 10V" CAP0402#1 167.793,85.753 r180 bottom
C816 "1uF, 10V" CAP0402#1 179.374,88.725 r0 bottom
C817 "100nF, 16V" CAP0402#1 174.185,82.189 r90 bottom
C818 "100nF, 16V" CAP0402#1 176.76,82.614 r0 bottom
C819 "100nF, 16V" CAP0402#1 170.957,82.192 r90 bottom